# Altium PCB DigitalLabBoard - Save.PcbDoc (part 1 of 2)
Units mil, origin at the board's own origin, x right, y up, seen from the top; angles counter-clockwise.
Board outline 5905.51 x 4133.86 mil, 2 copper layers (Top Layer, Bottom Layer); 169 components, 172 nets, 721 pads, 694 vias.
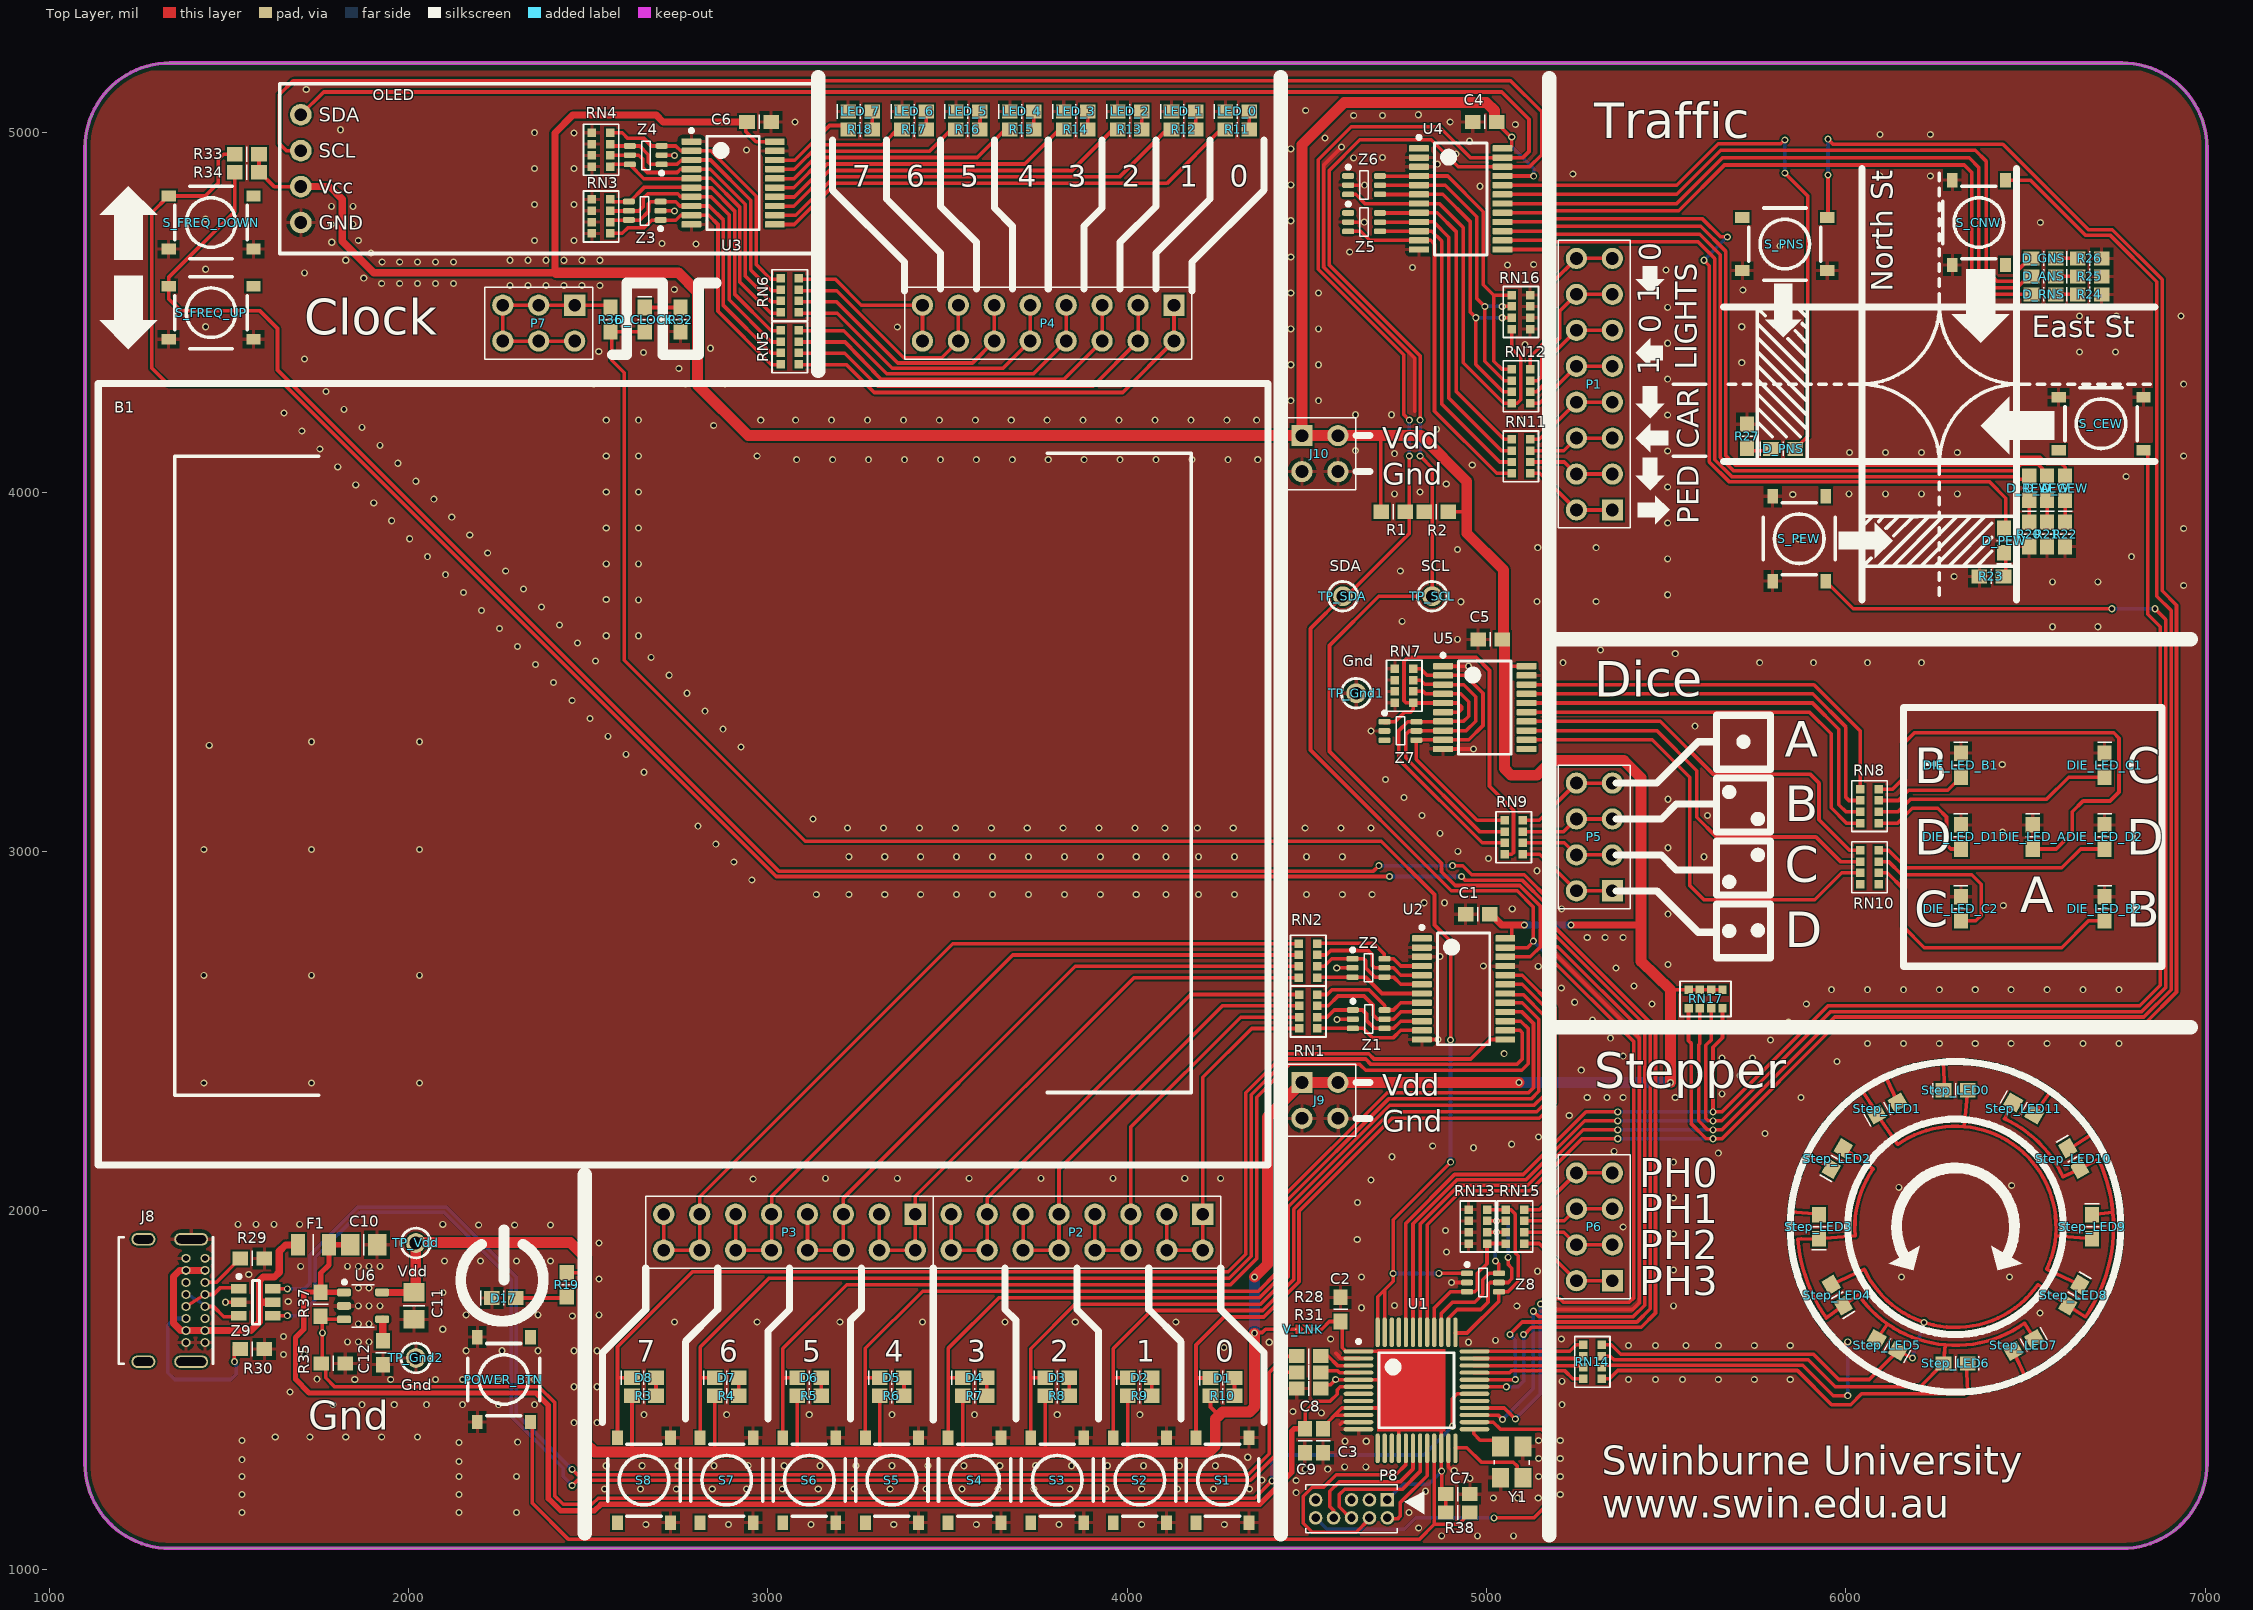
[diagram p0: Top Layer view]
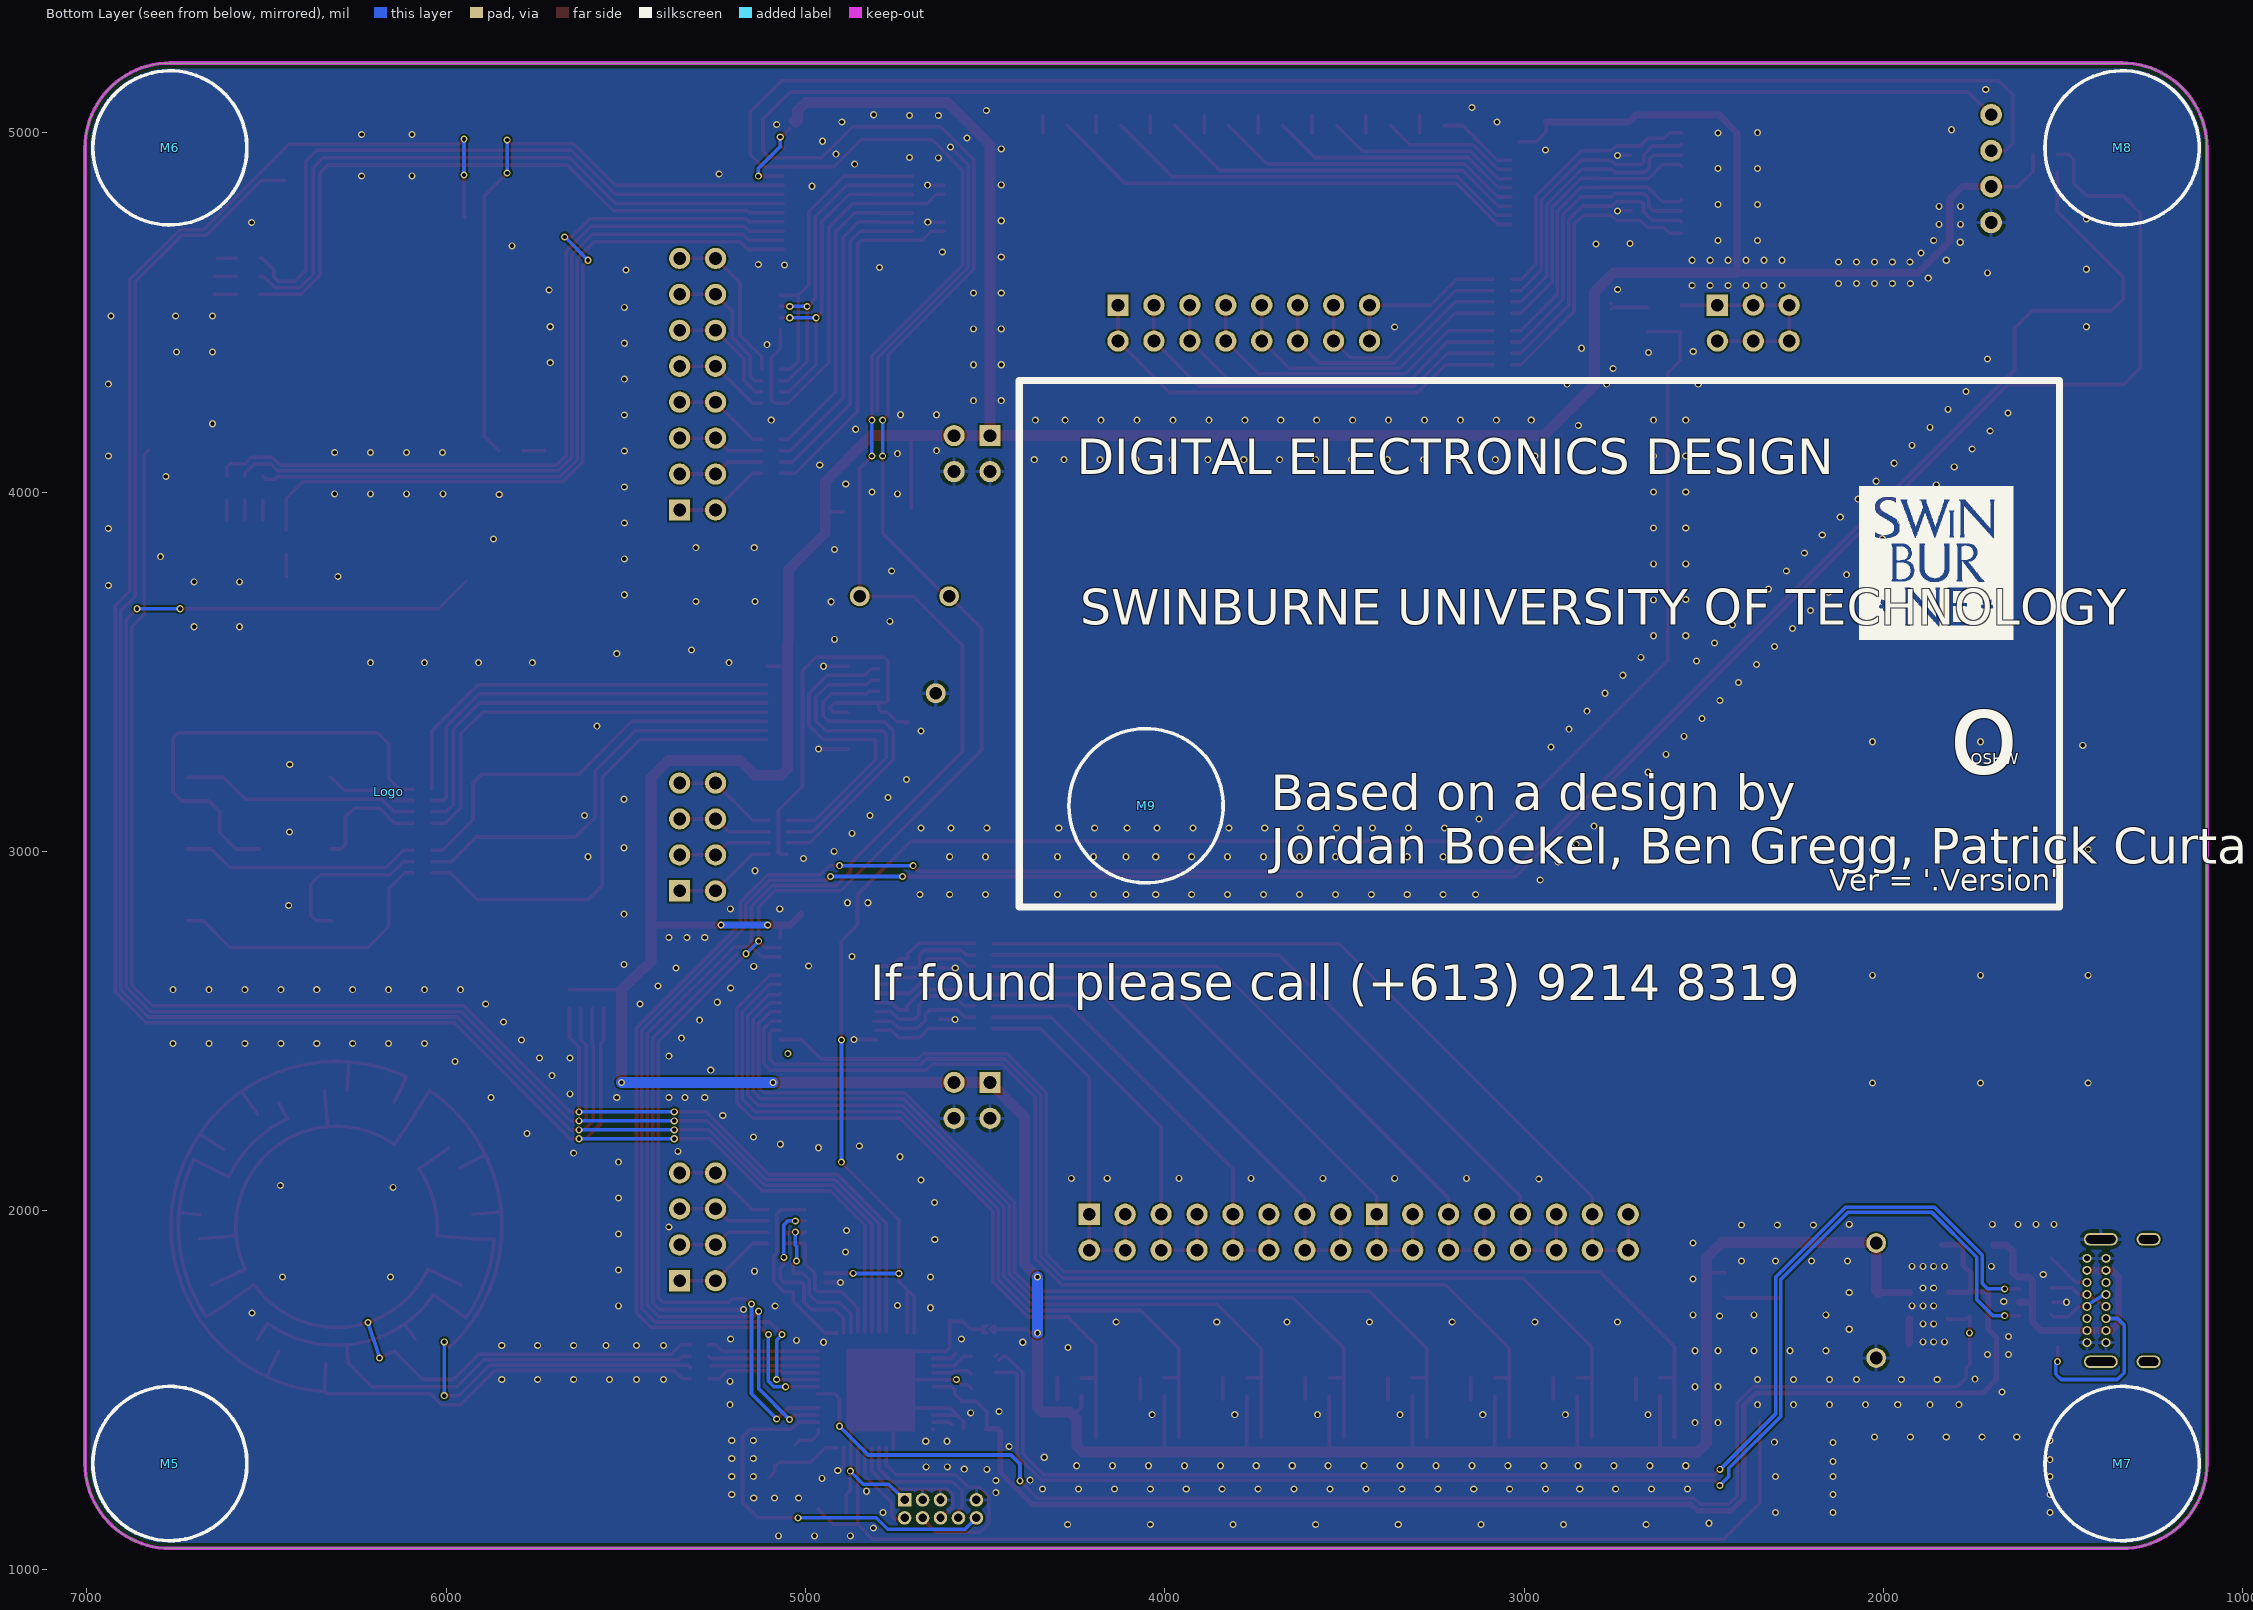
[diagram p1: Bottom Layer view, seen from below]
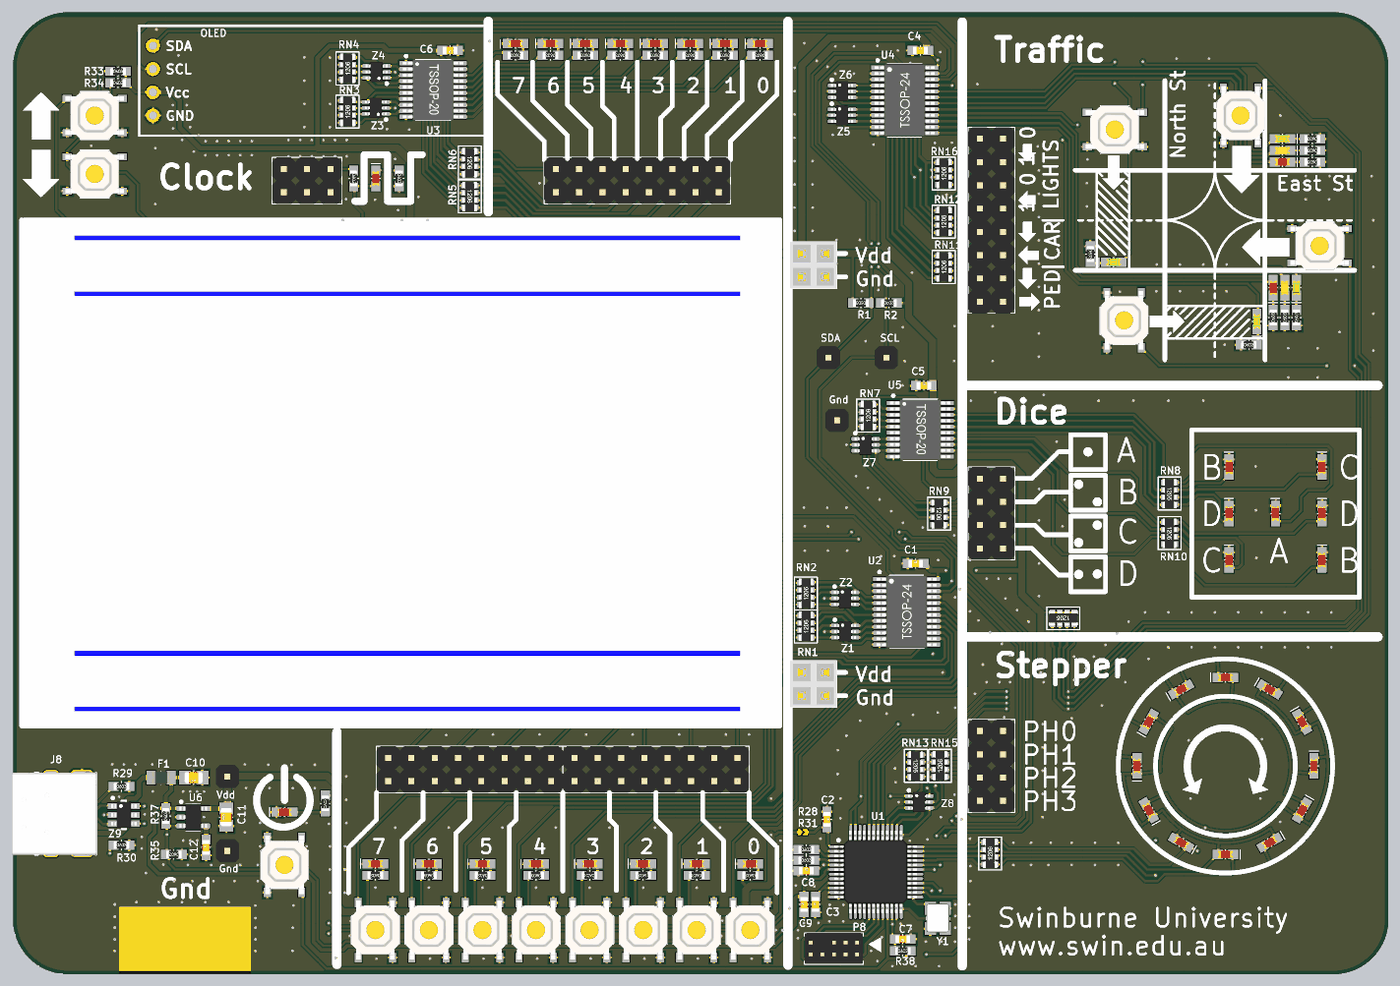
[diagram p3: 3D render of the assembled board from above, using the file's embedded part models]

## Layer stack, top to bottom
Top Solder: solder mask 0.4, Solder Resist, Dk 3.5
Top Layer: signal copper 1.4
Dielectric 1: dielectric 12.6, FR-4, Dk 4.8
Bottom Layer: signal copper 1.4
Bottom Solder: solder mask 0.4, Solder Resist, Dk 3.5

## Board outline
1099.33,1296.26 1099.33,4957.68 cw(c1335.55,4957.68) 1335.55,5193.9 6768.62,5193.9 cw(c6768.62,4957.68) 7004.84,4957.68 7004.84,1296.26 cw(c6768.62,1296.26) 6768.62,1060.04 1335.55,1060.04 cw(c1335.55,1296.26)

## Design rules (kind name [scope] priority, off if disabled: settings)
BoardOutlineClearance BoardOutlineClearance_1 [OnLayer('Top Overlay')] p1: gap=5 ignorepadtopadclearanceinfootprint=FALSE
BoardOutlineClearance [All] p2: gap=15 ignorepadtopadclearanceinfootprint=FALSE
Clearance [All] p1: gap=5 ignorepadtopadclearanceinfootprint=FALSE
HoleSize [All] p1: absolutevalues=TRUE maxlimit=196.85 minlimit=1 maxpercent=80.000 minpercent=20.000
MinimumAnnularRing [All] p1: minimumring=3.5
MinimumSolderMaskSliver [All] p1 off: minsoldermaskwidth=10
PolygonConnect PolygonConnect_Via [IsVia] p1: connectstyle=Direct reliefconductorwidth=10 reliefentries=4 polygonreliefangle="90 Angle" airgapwidth=10
PolygonConnect [All] p2: connectstyle=Relief reliefconductorwidth=10 reliefentries=4 polygonreliefangle="90 Angle" airgapwidth=10
RoomDefinition DigitalLabBoard_Stepper [InComponentClass('DigitalLabBoard_Stepper')] p1: confinementstyle=ConfineIn formatcopy=TRUE lockcomponents=FALSE outline 925,930 7310,930 7310,5310 925,5310
RoomDefinition DigitalLabBoard_Die [InComponentClass('DigitalLabBoard_Die')] p2: confinementstyle=ConfineIn formatcopy=TRUE lockcomponents=FALSE outline 940,920 7315,920 7315,5320 940,5320
RoomDefinition DigitalLabBoard_Traffic [InComponentClass('DigitalLabBoard_Traffic')] p3: confinementstyle=ConfineIn formatcopy=TRUE lockcomponents=FALSE outline 925,890 7315,890 7315,5295 925,5295
RoomDefinition DigitalLabBoard_LEDs [InComponentClass('DigitalLabBoard_LEDs')] p4: confinementstyle=ConfineIn formatcopy=TRUE lockcomponents=FALSE outline 910,910 7310,910 7310,5320 910,5320
RoomDefinition DigitalLabBoard_Processor [InComponentClass('DigitalLabBoard_Processor')] p5: confinementstyle=ConfineIn formatcopy=TRUE lockcomponents=FALSE outline 920,920 7325,920 7325,5290 920,5290
RoomDefinition DigitalLabBoard_Switches [InComponentClass('DigitalLabBoard_Switches')] p6: confinementstyle=ConfineIn formatcopy=TRUE lockcomponents=FALSE outline 925,905 7320,905 7320,5295 925,5295
RoutingVias [All] p1: holewidth=28 width=50 viastyle="Through Hole" minholewidth=28 minwidth=50 maxholewidth=28 maxwidth=50
SilkToSilkClearance [All] p1 off: silktosilkclearance=10
SilkToSolderMaskClearance [IsPad] p1 off: minsilkscreentomaskgap=10 clearancetoexposedcopper=TRUE
SolderMaskExpansion [All] p1: expansion=4
Width [All] p1: maxlimit=30 minlimit=10 preferedwidth=10
26 further rules are at their usual default settings.

## Classes and differential pairs
component class DigitalLabBoard_Stepper: P6 RN13 RN14 RN15 Step_LED0 Step_LED1 Step_LED2 Step_LED3 Step_LED4 Step_LED5 Step_LED6 Step_LED7 Step_LED8 Step_LED9 Step_LED10 Step_LED11 Z8
component class DigitalLabBoard_Die: C5 DIE_LED_A DIE_LED_B1 DIE_LED_B2 DIE_LED_C1 DIE_LED_C2 DIE_LED_D1 DIE_LED_D2 P5 RN7 RN8 RN9 RN10 U5 Z7
component class DigitalLabBoard_Traffic: C4 D_AEW D_ANS D_GEW D_GNS D_PEW D_PNS D_REW D_RNS P1 R20 R21 R22 R23 R24 R25 R26 R27 RN11 RN12 RN16 RN17 S_CEW S_CNW S_PEW S_PNS U4 Z5 Z6
component class DigitalLabBoard_LEDs: C6 LED_0 LED_1 LED_2 LED_3 LED_4 LED_5 LED_6 LED_7 P4 R11 R12 R13 R14 R15 R16 R17 R18 RN3 RN4 RN5 RN6 U3 Z3 Z4
component class DigitalLabBoard_Processor: B1 C2 C3 C7 C8 C9 C10 C11 C12 D17 D_CLOCK F1 J8 J9 J10 Logo M5 M6 M7 M8 M9 OLED P7 P8 POWER_BTN R1 R2 R19 R28 R29 R30 R31 R32 R33 R34 R35 R36 R37 R38 S9 S_FREQ_DOWN S_FREQ_UP TP_Gnd1 TP_Gnd2 TP_SCL TP_SDA TP_Vdd U1 U6 V_LNK Y1 Z9
component class DigitalLabBoard_Switches: C1 D1 D2 D3 D4 D5 D6 D7 D8 P2 P3 R3 R4 R5 R6 R7 R8 R9 R10 RN1 RN2 S1 S2 S3 S4 S5 S6 S7 S8 U2 Z1 Z2

## Components (designator, comment, footprint, x,y, rotation, side; value= is the part's Value field where it differs from the comment)
B1 "Breadboard - 300 Hole" "BREADBOARD - 300 HOLES" 2766.18,3226.89 r180 top
C1 "100nF" CCNP1608-0603 4975,2825 r0 top
C2 "100nF" CCNP1608-0603 4593.82,1725 r270 top
C3 "100nF" CCNP1608-0603 4545,1360 r90 top
C4 "100nF" CCNP1608-0603 4995,5030 r0 top
C5 "100nF" CCNP1608-0603 5010,3590 r0 top
C6 "100nF" CCNP1608-0603 2975.11,5030 r180 top
C7 "100nF" CCNP1608-0603 4920,1211 r180 top
C8 "2.2uF" CCNP1608-0603 4505,1505 r0 top
C9 "1uF" CCNP1608-0603 4495,1360 r90 top
C10 "10uF" CCNP2012-0805 1875,1905 r180 top
C11 "10uF" CCNP2012-0805 2015,1735 r90 top
C12 "10nF" CCNP1608-0603 1928.15,1605 r90 top
D1 "LED Red" LED1608-0603-RED 4265,1534.21 r180 top
D2 "LED Red" LED1608-0603-RED 4035,1535 r180 top
D3 "LED Red" LED1608-0603-RED 3805,1535 r180 top
D4 "LED Red" LED1608-0603-RED 3575,1535 r180 top
D5 "LED Red" LED1608-0603-RED 3345,1535 r180 top
D6 "LED Red" LED1608-0603-RED 3115,1535 r180 top
D7 "LED Red" LED1608-0603-RED 2885,1535 r180 top
D8 "LED Red" LED1608-0603-RED 2655,1535 r180 top
D17 "LED Red" LED1608-0603-RED 2265,1756.85 r180 top
D_AEW "LED Yellow" LED1608-0603-YELLOW 6560,4010 r270 top
D_ANS "LED Yellow" LED1608-0603-YELLOW 6550,4600 r0 top
D_CLOCK "LED Red" LED1608-0603-RED 2657,4480 r90 top
D_GEW "LED Green" LED1608-0603-GREEN 6610,4010 r270 top
D_GNS "LED Green" LED1608-0603-GREEN 6550,4650 r0 top
D_PEW "LED Green" LED1608-0603-GREEN 6440,3865 r270 top
D_PNS "LED Green" LED1608-0603-GREEN 5825,4120 r180 top
D_REW "LED Red" LED1608-0603-RED 6510,4010 r270 top
D_RNS "LED Red" LED1608-0603-RED 6550,4550 r0 top
DIE_LED_A "LED Red" LED1608-0603-RED 6520,3040 r90 top
DIE_LED_B1 "LED Red" LED1608-0603-RED 6320,3240 r90 top
DIE_LED_B2 "LED Red" LED1608-0603-RED 6720,2840 r90 top
DIE_LED_C1 "LED Red" LED1608-0603-RED 6720,3240 r90 top
DIE_LED_C2 "LED Red" LED1608-0603-RED 6320,2840 r90 top
DIE_LED_D1 "LED Red" LED1608-0603-RED 6320,3040 r90 top
DIE_LED_D2 "LED Red" LED1608-0603-RED 6720,3040 r90 top
F1 "SMD0805-050" SMD0805-050 1735,1905 r0 top
J8 "USB4085-GF-A" USB4085-GF-A 1275,1750 r0 top
J9 "Header 2x2" BCS-102-L-D-TE 4486.18,2356.89 r270 top
J10 "Header 2x2" BCS-102-L-D-TE 4486.18,4156.89 r270 top
LED_0 "LED Red" LED1608-0603-RED 4306.54,5058.99 r180 top
LED_1 "LED Red" LED1608-0603-RED 4156.54,5058.99 r180 top
LED_2 "LED Red" LED1608-0603-RED 4006.54,5058.99 r180 top
LED_3 "LED Red" LED1608-0603-RED 3856.54,5058.99 r180 top
LED_4 "LED Red" LED1608-0603-RED 3706.54,5058.99 r180 top
LED_5 "LED Red" LED1608-0603-RED 3556.54,5058.99 r180 top
LED_6 "LED Red" LED1608-0603-RED 3406.54,5058.99 r180 top
LED_7 "LED Red" LED1608-0603-RED 3256.54,5058.99 r180 top
Logo "OSHW Logo" OSHW 6160,3165.37 r180 bottom
M5 "Plastic Bumper" BUMPER_RBS-2 6768.62,1296.26 r180 bottom
M6 "Plastic Bumper" BUMPER_RBS-2 6768.62,4957.68 r180 bottom
M7 "Plastic Bumper" BUMPER_RBS-2 1335.55,1296.26 r180 bottom
M8 "Plastic Bumper" BUMPER_RBS-2 1335.55,4957.68 r180 bottom
M9 "Plastic Bumper" BUMPER_RBS-2 4052.09,3126.97 r180 bottom
OLED "OLED_Display" OLED_Display_128x32 1700,5050 r0 top locked
P1 "Header 2x8" HDR2X8S 5350,3950 r90 top
P2 "Header 2x8" HDR2X8S 4210,1990 r180 top
P3 "Header 2x8" HDR2X8S 3410,1990 r180 top
P4 "Header 2x8" HDR2X8S 4130,4520 r180 top
P5 "Header 2x4" HDR2X4S 5350,2890 r90 top
P6 "Header 2x4" HDR2X4S 5350,1805 r90 top
P7 "Header 2x3" HDR2X3S 2462,4520 r180 top
P8 "SWD Connector 2x5-Pin" SWD-2X5 4724,1195 r180 top
POWER_BTN "SMD-SW-4_5.1x5.1x3.5" SMD-SW-4_5.1x5.1x3.5 2265,1530 r90 top
R1 "4.7K" CR1608-0603 4740,3945 r180 top
R2 "4.7K" CR1608-0603 4860,3945 r0 top
R3 "1K" CR1608-0603 2655,1485 r180 top
R4 "1K" CR1608-0603 2885,1485 r180 top
R5 "1K" CR1608-0603 3115,1485 r180 top
R6 "1K" CR1608-0603 3345,1485 r180 top
R7 "1K" CR1608-0603 3575,1485 r180 top
R8 "1K" CR1608-0603 3805,1485 r180 top
R9 "1K" CR1608-0603 4035,1485 r180 top
R10 "1K" CR1608-0603 4265,1485 r180 top
R11 "1K" CR1608-0603 4306.54,5008.99 r180 top
R12 "1K" CR1608-0603 4156.54,5008.99 r180 top
R13 "1K" CR1608-0603 4006.54,5008.99 r180 top
R14 "1K" CR1608-0603 3856.54,5008.99 r180 top
R15 "1K" CR1608-0603 3706.54,5008.99 r180 top
R16 "1K" CR1608-0603 3556.54,5008.99 r180 top
R17 "1K" CR1608-0603 3406.54,5008.99 r180 top
R18 "1K" CR1608-0603 3256.54,5008.99 r180 top
R19 "1K" CR1608-0603 2440,1794.06 r90 top
R20 "1K" CR1608-0603 6510,3881.81 r90 top
R21 "560ohm" CR1608-0603 6560,3881.81 r90 top
R22 "1K" CR1608-0603 6610,3881.81 r90 top
R23 "1K" CR1608-0603 6405,3765 r0 top
R24 "1K" CR1608-0603 6678.19,4550 r180 top
R25 "560ohm" CR1608-0603 6678.19,4600 r180 top
R26 "1K" CR1608-0603 6678.19,4650 r180 top
R27 "1K" CR1608-0603 5725,4155 r270 top
R28 "33ohm" CR1608-0603 4505,1595 r0 top
R29 "5.1K" CR1608-0603 1565,1867.13 r0 top
R30 "5.1K" CR1608-0603 1565,1615 r0 top
R31 "33ohm" CR1608-0603 4505,1550 r0 top
R32 "1K" CR1608-0603 2757,4480 r270 top
R33 "10K" CR1608-0603 1550,4940 r0 top
R34 "10K" CR1608-0603 1550,4890 r0 top
R35 "15K" CR1608-0603 1790,1575 r180 top
R36 "100ohm" CR1608-0603 2562,4480 r270 top
R37 "10K" CR1608-0603 1755,1740 r90 top
R38 "10K" CR1608-0603 4920,1160 r0 top
RN1 "470ohm" CR1206-0603_X4 4529.18,2507.01 r90 top
RN2 "470ohm" CR1206-0603_X4 4529,2648.5 r90 top
RN3 "10K" CR1206-0603_X4 2561.18,4719.77 r90 top
RN4 "10K" CR1206-0603_X4 2561.18,4905.34 r90 top
RN5 "470ohm" CR1206-0603_X4 3035,4450 r270 top
RN6 "470ohm" CR1206-0603_X4 3035,4595 r270 top
RN7 "10K" CR1206-0603_X4 4796.18,3413.5 r90 top
RN8 "1K" CR1206-0603_X4 6040,3172.99 r270 top
RN9 "470ohm" CR1206-0603_X4 5050,3086.5 r270 top
RN10 "1K" CR1206-0603_X4 6040,3002.99 r270 top
RN11 "470ohm" CR1206-0603_X4 5121.18,4052.01 r90 top
RN12 "470ohm" CR1206-0603_X4 5121.18,4247.01 r90 top
RN13 "10K" CR1206-0603_X4 4950,2002.99 r270 top
RN14 "470ohm" CR1206-0603_X4 5320,1532.01 r90 top
RN15 "470ohm" CR1206-0603_X4 5105,1908.5 r90 top
RN16 "10K" CR1206-0603_X4 5121.18,4453.5 r90 top
RN17 "10K" CR1206-0603_X4 5656.5,2615 r180 top
S1 "SMD-SW-4_5.1x5.1x2.0" SMD-SW-4_5.1x5.1x2.0 4265,1250 r90 top
S2 "SMD-SW-4_5.1x5.1x2.0" SMD-SW-4_5.1x5.1x2.0 4035,1250 r90 top
S3 "SMD-SW-4_5.1x5.1x2.0" SMD-SW-4_5.1x5.1x2.0 3805,1250 r90 top
S4 "SMD-SW-4_5.1x5.1x2.0" SMD-SW-4_5.1x5.1x2.0 3575,1250 r90 top
S5 "SMD-SW-4_5.1x5.1x2.0" SMD-SW-4_5.1x5.1x2.0 3345,1250 r90 top
S6 "SMD-SW-4_5.1x5.1x2.0" SMD-SW-4_5.1x5.1x2.0 3115,1250 r90 top
S7 "SMD-SW-4_5.1x5.1x2.0" SMD-SW-4_5.1x5.1x2.0 2885,1250 r90 top
S8 "SMD-SW-4_5.1x5.1x2.0" SMD-SW-4_5.1x5.1x2.0 2655,1250 r90 top